# Altium PCB 2-quilter-output.PcbDoc (part 26 of 26) (continued)
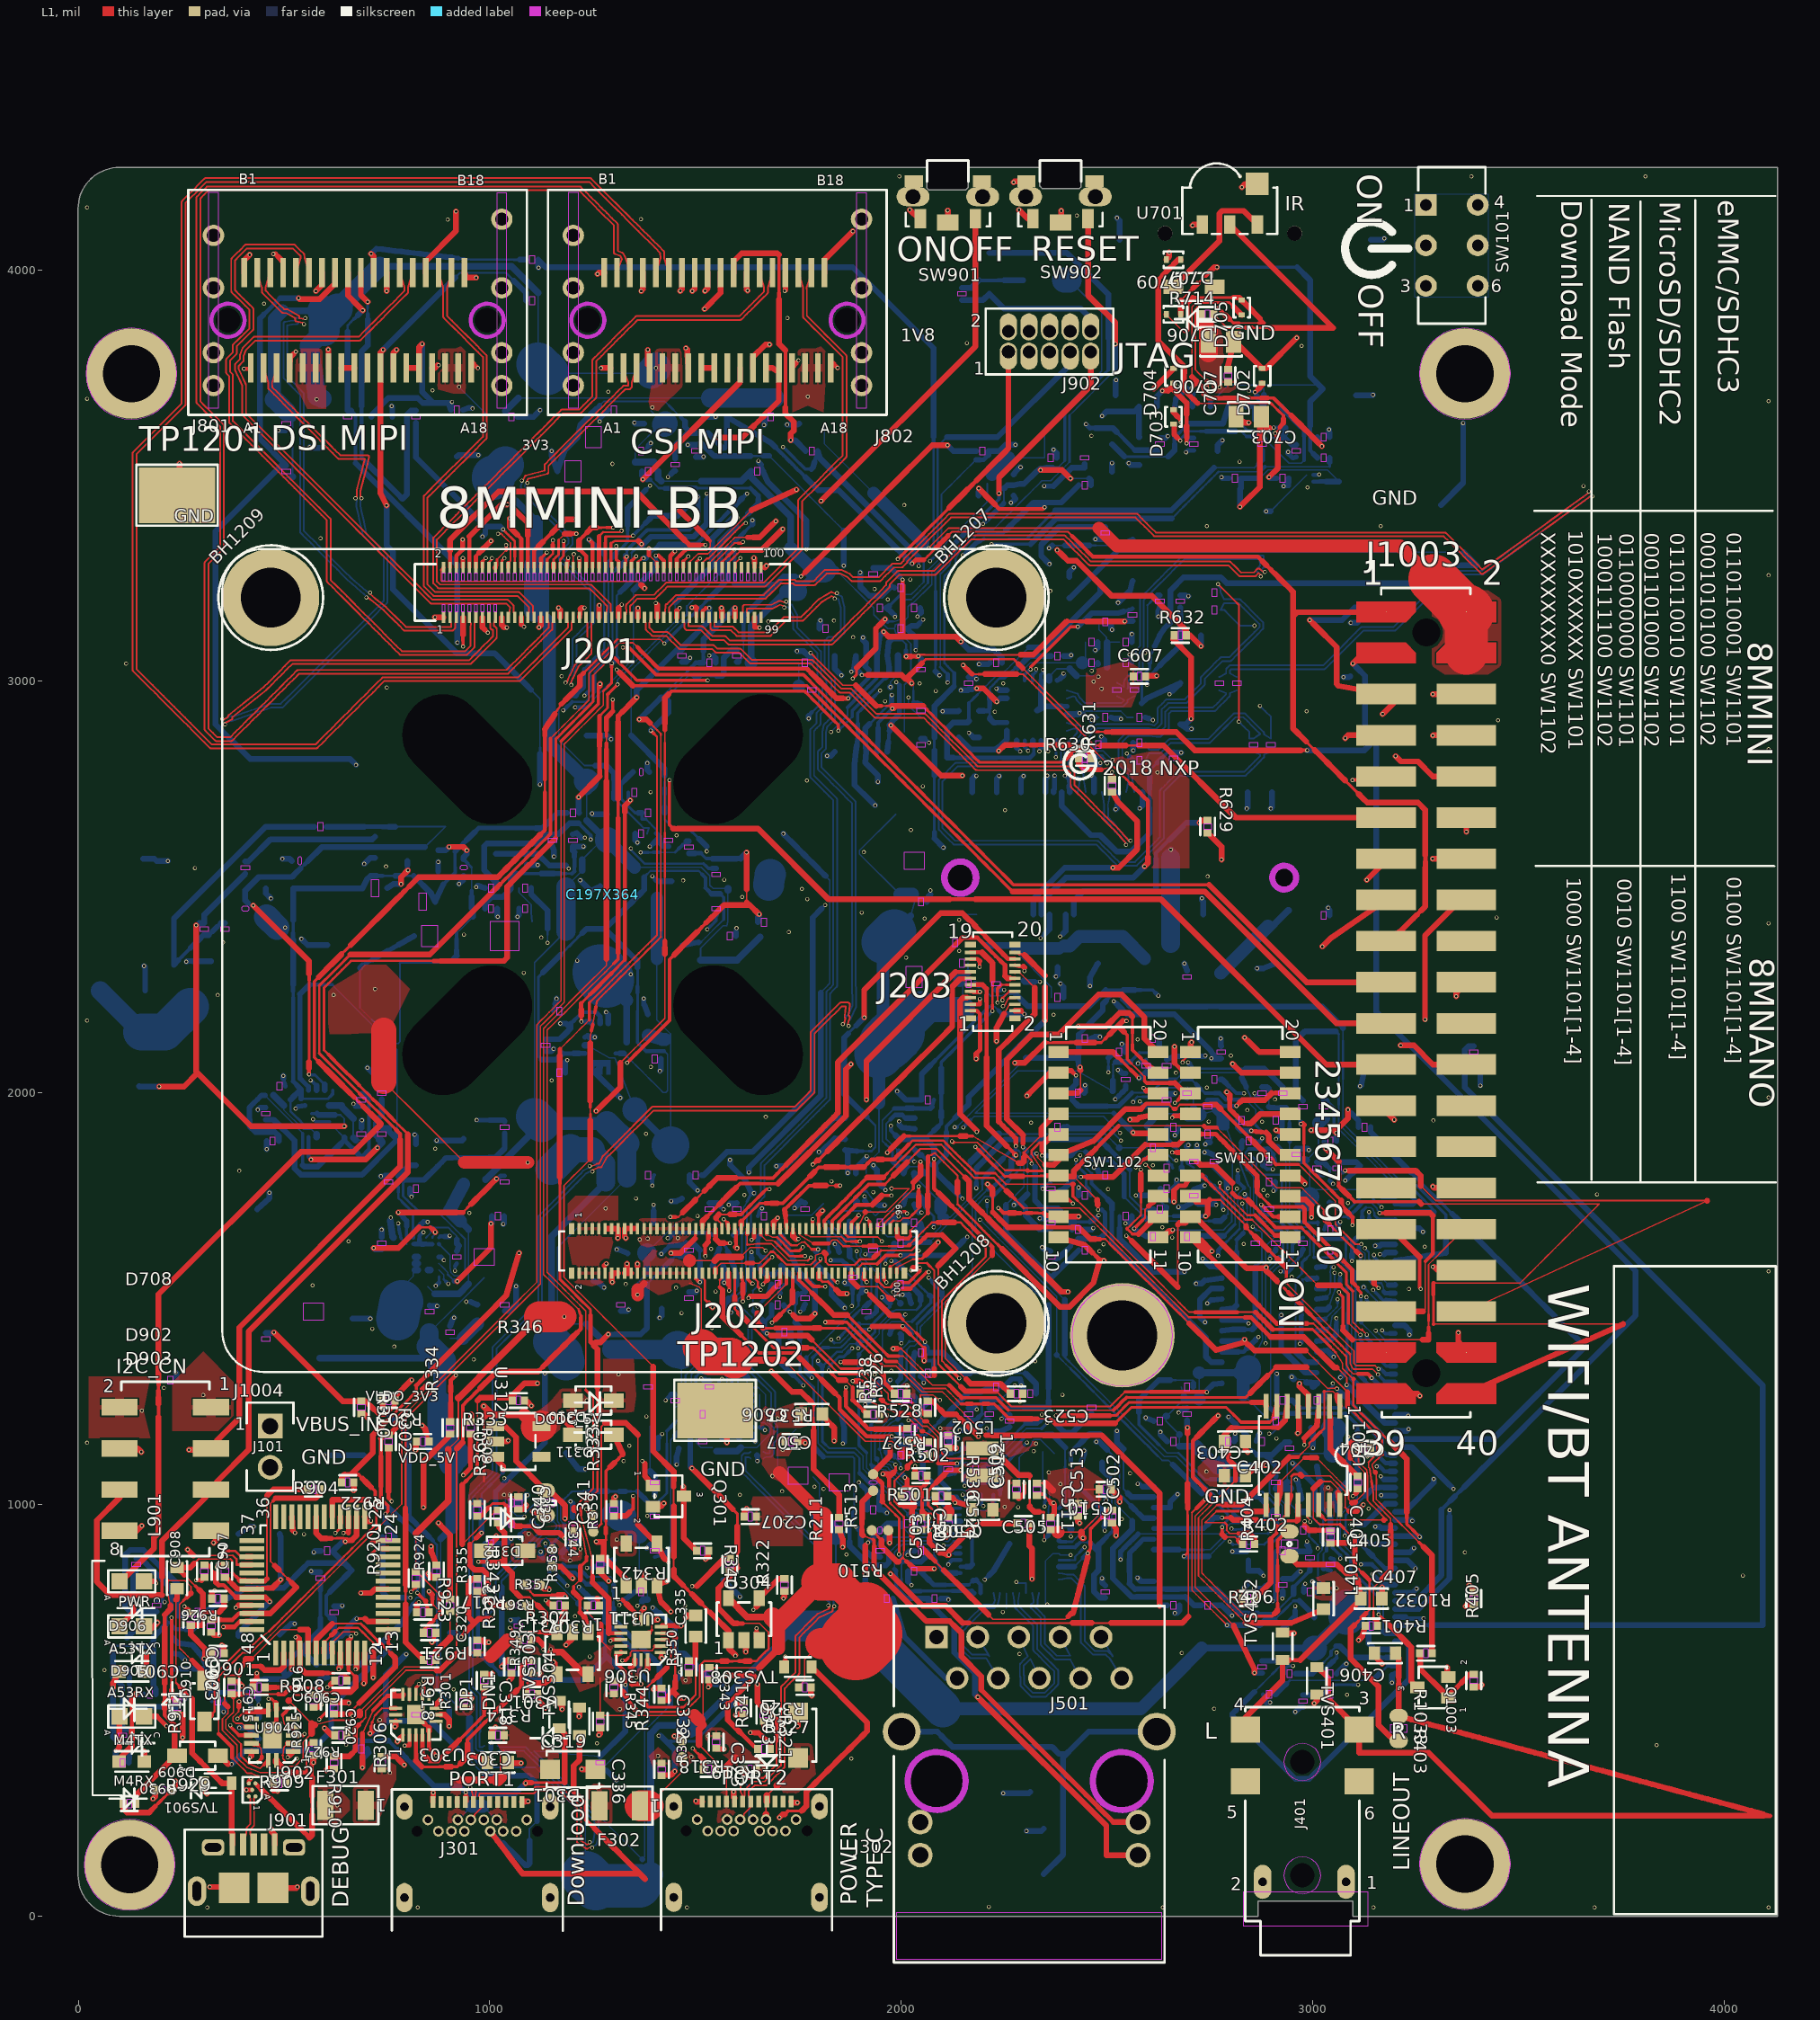
[diagram p0: L1 view]
## Silkscreen, mask and mechanical layers (free items; w line width, h text height) (continued)
  lines w8: 1999.73,3771.19 cw(c1999.73,3739.51) 2023.73,3760.19 ccw(c2047.04,3780.3) 2030.73,3754.19 2066.73,3742.19 cw(c2066.73,3717.17) 2091.73,3718.19 ccw(c2097.45,3720.36) 2100.73,3715.19 2101.73,3717.19 ccw(c2086.43,3724.82) 2100.73,3734.19 ccw(c1926.11,3619.4) 2093.73,3744.19 ccw(c2069.14,3725.87) 2073.73,3756.19 ; 2012.73,3803.19 cw(c2012.73,3778.19) 2019.73,3802.19 ccw(c2026.93,3826.88) 2025.73,3801.19 ccw(c2033.23,3961.8) 2040.73,3801.19 ccw(c2035.44,3914.38) 2065.73,3805.19 cw(c2077.41,3763.09) 2104.73,3797.19 cw(c2094.86,3784.85) 2109.73,3790.19 ccw(c2123.31,3795.01) 2116.73,3782.19 2121.73,3778.19 2127.73,3773.19 cw(c2116.83,3760.11) 2133.73,3762.19 2133.73,3761.19 2132.73,3757.19 2131.73,3751.19 2130.73,3743.19 2130.73,3730.19 cw(c2106.59,3730.19) 2123.73,3713.19 cw(c2120.23,3716.86) 2115.73,3719.19 2118.73,3725.19 2116.73,3739.19 cw(c2131.84,3741.36) 2117.73,3747.19 ccw(c1981.73,3802.75) 2120.73,3755.19 2114.73,3756.19 cw(c2116.8,3768.61) 2109.73,3758.19 cw(c2265.19,3985.91) 2094.73,3769.19
  lines w10: 1945.73,3678.19 2135.73,3800.19 ; 2196.73,3678.19 1948.73,3678.19 2071.73,3927.19 2197.73,3678.19 ; 183.86,3348.9 183.86,3598.9 643.86,3598.9 643.86,3348.9 183.86,3348.9 ; 691.24,3143.94 1766.24,3143.94 1766.24,3393.94 691.24,3393.94 691.24,3143.94 ; 704.63,623.79 1704.63,623.79 1704.63,873.79 704.63,873.79 704.63,623.79 ; 3226.63,2265.79 3476.63,2265.79 3476.63,3305.79 3226.63,3305.79 3226.63,2265.79
  text "GND" at 905.13,3568.29 h31
  text "nCD" at 2539.13,3520.29 h31
  text "3V3" at 902.13,3508.29 h31
  text "I2C4" at 2539.63,3477.29 h25
  text "700-31407" at 643.86,3455.9 h50
  text "CLKI1" at 1470.13,3452.79 h25 r270
  text "CLKI2" at 1543.13,3452.79 h25 r270
  text "CLK01" at 1318.13,3451.79 h25 r270
  text "CLK02" at 1394.13,3450.79 h25 r270
  text "SDA" at 2439.63,3442.29 h25
  text "SCL" at 2572.63,3422.29 h25
  text "GND" at 3422.13,3391.29 h31 r270
  text "ID2" at 1651.92,3012.31 h25
  text "VBUS1" at 1444.63,3011.29 h25
  text "ID1" at 1571.91,2999.13 h25
  text "TXD4" at 827.13,2991.79 h25 r270
  text "TXD2" at 886.96,2991.79 h25 r270
  text "RXD2" at 764.13,2990.79 h25 r270
  text "RXD4" at 778.14,2926.2 h25
  text "GND" at 651.13,2907.79 h25 r270
  text "Q" at 1256.51,2816.14 h35
  text "Q" at 74.54,2762.99 h35
  text "SCH-31407 REV C2" at 3320.33,2285.45 h63 r270
  text "M.2 CARD" at 2535.18,2273.87 h59.8
  text "E-KEY" at 2252.14,2186.07 h31
  text "GND" at 2463.01,2123.48 h25
  text "P" at 1513.74,1967.92 h35
  text "MCLK" at 1678.73,1885.38 h25 r270
  text "RXFS" at 1618.73,1869.38 h25 r270
  text "GND" at 1270.04,1840.89 h25
  text "TXD" at 1555.73,1835.38 h25 r270
  text "1" at 3462.13,1756.79 h25 r90
  text "SAI3" at 1632.04,1749.89 h25
  text "TXFS" at 1774.04,1735.89 h25
  text "RXD" at 1742.04,1655.89 h25
  text "TXC" at 1602.76,1626.25 h25
  text "RXC" at 1621.04,1618.89 h25
  text "AUDIO CONNECTOR" at 3479.53,1593.14 h59.8 r90
  text "GND" at 2464.81,1533.69 h25
  text "P" at 3079.52,1299.29 h35
  text "VBUS_IN" at 421.87,1178.81 h25
  text "GND" at 415.72,1074.9 h25
  text "S/N" at 1904.13,681.79 h63
  text "60" at 3462.13,628.79 h25 r90
  text "SERIAL" at 1053.63,137.29 h25
  text "PRIMARY" at 1703.63,137.29 h25
  text "DOWNLOAD" at 1071.63,97.29 h25
  text "POWER IN" at 1716.63,95.29 h25
Top Solder:
  lines w20: -0.37,98.79 ccw(c99.63,98.79) 99.63,-1.21 2867.21,-1.21 2867.21,35.94 3097.78,35.94 3097.78,-1.21 3399.63,-1.21 ccw(c3399.63,98.79) 3499.63,98.79 3499.63,4148.79 ccw(c3399.63,4148.79) 3399.63,4248.79 99.63,4248.79 ccw(c99.63,4148.79) -0.37,4148.79 -0.37,98.79
Board Layer Stack Bottom Solder:
  lines w20: -0.37,98.79 ccw(c99.63,98.79) 99.63,-1.21 2867.21,-1.21 2867.21,35.94 3097.78,35.94 3097.78,-1.21 3399.63,-1.21 ccw(c3399.63,98.79) 3499.63,98.79 3499.63,4148.79 ccw(c3399.63,4148.79) 3399.63,4248.79 99.63,4248.79 ccw(c99.63,4148.79) -0.37,4148.79 -0.37,98.79
Board:
  lines w1: 3399.63,-1.21 ccw(c3399.63,98.79) 3499.63,98.79 3499.63,4148.79 ccw(c3399.63,4148.79) 3399.63,4248.79 ; 3539.63,0.81 3539.63,4248.79 ; 3539.63,4248.79 4092,4248.79 4130.18,4248.79 4130.18,-1.21 3097.78,-1.21 3097.78,35.94 2910.79,35.94 2910.29,35.94 2910.09,36.13 2909.9,35.94 2901.41,35.94 2867.21,35.94 2867.21,-1.21 99.63,-1.21 cw(c99.63,98.79) -0.37,98.79 -0.37,4148.79 cw(c99.63,4148.79) 99.63,4248.79 1991.63,4248.79 2062.63,4248.79 2062.63,4198.79 2065.63,4195.79 2067.63,4193.79 2156.63,4193.79 2163.63,4200.79 2163.63,4248.79 2253.63,4248.79 2256.63,4248.79 2314.63,4248.79 2336.63,4248.79 2336.63,4237.79 2336.63,4203.79 2342.63,4197.79 2433.63,4197.79 2437.63,4201.79 2437.63,4248.79 3539.63,4248.79
Fab Notes:
  drawing of 215 lines, arcs and shapes, not listed
  text "1. THIS DRAWING SPECIFIES THE REQUIREMENTS FOR A" at -15259.37,7995.79 h94
  text "PRINTED WIRING BOARD IN ACCORDANCE" at -10959.37,7995.79 h94
  text "WITH SPECIFICATION IPC-A-600 CLASS 2 (LATEST REVISION)." at -15249.37,7795.79 h94
  text "2. THE PWB MUST BE LEAD FREE ASSEMBLY PROCESS COMPATIBLE AND MUST BE ABLE TO HANDLE" at -15259.37,7395.79 h94
  text "A MINIMUM OF 5 CYCLES AT 260 DEGREES CELSIUS FOR 10 SECONDS." at -15159.37,7195.79 h94
  text "3. BASE MATERIAL - LAMINATE AND PREPREG SHALL MEET IPC-4101B-26, 83 or 98" at -15259.37,6795.79 h94
  text "Tg - MUST BE GREATER THAN OR EQUAL TO 150 DEGREES CELSIUS." at -13414.37,6595.79 h94
  text "Td - MUST BE GREATER THAN OR EQUAL TO 330 DEGREES CELSIUS." at -13414.37,6395.79 h94
  text "4. COPPER FOIL WEIGHT - SEE STACKUP DETAIL 'A'" at -15259.37,5995.79 h94
  text "5. CHARACTERISTIC IMPEDANCE - SEE DETAIL 'B'" at -15259.37,5595.79 h94
  text "6. MINIMUM CONDUCTIVE WIDTH/SPACING TO BE .004\"/.005\"" at -15259.37,5195.79 h94
  text "8" at 5047.78,5174.39 h125
  text "7. PLATING FINISH - BOTH SIDES ENIG (ELECTROLESS NICKEL IMMERSION GOLD):" at -15259.37,4795.79 h94
  text ".05080-.232 MICRON (2-8 MICROINCH) OF GOLD OVER" at -13439.37,4595.79 h94
  text "2.540-6.350 MICRON (100-250 MICROINCH) OF NICKEL." at -13694.37,4395.79 h94
  text "8. ALL THROUGH HOLE VIAS MAY BE PLATED SHUT." at -15259.37,3995.79 h94
  text "9. SOLDERMASK - GREEN COLOR (TAIYO OR EQUIVALENT), BOTH SIDES." at -15259.37,3595.79 h94
  text "MODIFICATION OF SOLDERMASK IS NOT ALLOWED WITHOUT WRITTEN PERMISSION FROM NXP." at -15254.37,3395.79 h94
  text "10. SILKSCREEN - WHITE EPOXY INK, BOTH SIDES.  NO SILK ON PADS." at -15259.37,2995.79 h94
  text "11. ELECTRICAL TEST - 100% IPCD356." at -15259.37,2595.79 h94
  text "12. PRINTED WIRING BOARD IS TO BE INDIVIDUALLY BAGGED." at -15259.37,2195.79 h94
  text "13. DRC'S MUST BE RUN ON THE GERBER BEFORE BUILDING BOARDS," at -15259.37,1795.79 h94
  text "UNLESS PRIOR APPROVAL IS GIVEN IN WRITING BY NXP." at -15259.37,1595.79 h94
  text "14. TEARDROPS MAYBE ADDED AT THE FAB HOUSE TO ALL SIGNAL LAYERS." at -15259.37,1195.79 h94
  text "15. 2 SOLDER SAMPLES TO BE PROVIDED." at -15259.37,795.79 h94
  text "16. BASIC GRID INCREMENT AT 1:1 IS .0001." at -15260.37,394.79 h94
  text "CANNOT ADD ANY PLANE ON EVERY LAYER ON THIS BOARD" at 3930.63,389.79 h63 r90
  text "23" at 3742.7,101.4 h94
  text "17. SUPPLIER MARKINGS - ON SOLDER SIDE ONLY, WHERE SHOWN." at -15260.37,-5.21 h94
  text "0" at -1316.37,-35.21 h63
  text "- MUST BE UL RECOGNIZED AND MUST HAVE AN ID THAT CONFORMS TO UL94V-0" at -13239.37,-204.21 h94
  text "16" at -2432.3,-517.6 h94
  text "18. THE PWB WILL BE MARKED AS LEAD FREE BY USE OF AN INK STAMP Pb" at -15259.37,-604.21 h94
  text "PRIMARY DATUM" at -2636.61,-719.86 h63
  text "17" at 2429.19,-769.36 h94
  text "GRID ORIGIN" at -2646.61,-804.86 h63
  text "19. THE PWB WILL BE MARKED AS LEAD FREE PROCESS COMPATIBLE BY USE OF AN INK STAMP 260 C" at -15259.37,-1004.21 h94
  text "0" at -26.37,-1019.21 h63
  text "20. ALL PLATED AND NON-PLATED THROUGH HOLES ARE TO BE DRILLED AT PRIMARY DRILL STEP." at -14562.77,-1404.21 h94
  text "ALL HOLE LOCATION TOLERANCES ARE TO BE +/-.002 IN REFERENCE TO THE PRIMARY DATUM." at -14219.97,-1604.21 h94
  text "21. FINISHED PCB MUST BE PANELIZED FOR ASSEMBLY ACCORDING TO CONTRACT MANUFACTURERS REQUIREMENTS." at -15259.37,-2004.21 h94
  text "THE ADDITION OF RAILS AND .125' NON-PLATED TOOLING HOLES ARE AT THE DISCRETION OF" at -14889.37,-2204.21 h94
  text "CONTRACT MANUFACTURER.PANELIZATION MUST BE APPROVED BY CONTRACT MANUFACTURER." at -14889.37,-2404.21 h94
  text "VIEW FROM PRIMARY SIDE" at 458.39,-2734.86 h125
  text "22. THIS BOARD USES VIA-IN-PAD:" at -15629.37,-2804.21 h94
  text "A. VIA-IN-PAD TO BE FILLED WITH NON-CONDUCTIVE VIA FILL." at -14979.37,-3004.21 h94
  text "LACKWERKE-PETERS PP2795 OR EQUIVALENT AND MADE PLANAR TO THE PADS." at -14609.37,-3204.21 h94
  text "B. OVERPLATE THE FILLED VIA AND APPLY FINISH METAL TREATMENT." at -14979.37,-3404.21 h94
  text "23.  ANTENNA BOARD FOLLOW GERBER" at -15262.37,-3916.21 h94
  text "DETAIL B" at -1467.78,-5245.92 h125
  text "THE TOTAL THICKNESS:" at -13735.34,-5310.05 h225
  text "1.6mm+/-10%" at -8970.85,-5334.7 h225
  text "IMPEDANCE REQUIREMENTS" at -2151.78,-5457.92 h125
  text "IMPEDANCE TOLERANCE IS 10%" at -2351.78,-5657.92 h125
  text "DIELECTRIC" at -8376.87,-5989.49 h75
  text "LAYERS STACKUP" at -13893.87,-6065.71 h94
  text "LAYER" at -11952.75,-6065.71 h94
  text "MATERIAL" at -11300.57,-6065.71 h94
  text "THICKNESS" at -10518.88,-6065.71 h94
  text "LAYER TYPE" at -9593.8,-6065.71 h94
  text "LOSS TANGENT" at -7176.87,-6089.49 h75
  text "CONSTANT" at -8376.87,-6189.49 h75
  text "COPPER" at -11294.95,-6538.15 h94
  text "ROUTING" at -9488.8,-6538.15 h94
  text "1 OZ" at -10401.04,-6542.1 h94
  text "TOP" at -13516.14,-6577.52 h94
  text "TOP" at -11941.33,-6577.52 h94
  text "3.9" at -8398.04,-6825.97 h94
  text "TU-768" at -11189.95,-6853.11 h94
  text "2.77MIL" at -10401.04,-6858.97 h94
  text "0.02" at -7052.04,-6866.97 h94
  text "PREPREG" at -12132.15,-6882.08 h94
  text "PREPREG" at -13696.45,-6892.48 h94
  text "COPPER" at -11294.95,-7165.71 h94
  text "PLANE" at -9418.8,-7168.07 h94
  text "1 OZ" at -10401.04,-7185.07 h94
  text "L2 INNER" at -12178.15,-7197.05 h94
  text "L2 INNER" at -13741.52,-7207.44 h94
  text "4.25" at -8398.04,-7464.97 h94
  text "TU-768" at -11189.95,-7480.67 h94
  text "4.33MIL" at -10401.04,-7497.97 h94
  text "0.02" at -7052.04,-7505.97 h94
  text "PREPREG" at -12132.15,-7512.01 h94
  text "PREPREG" at -13696.45,-7522.4 h94
  text "1 OZ" at -10401.04,-7790.07 h94
  text "COPPER" at -11294.95,-7795.63 h94
  text "ROUTING" at -9463.12,-7811.72 h94
  text "L3 INNER" at -12178.15,-7826.97 h94
  text "L3 INNER" at -13741.52,-7837.36 h94
  text "4.25" at -8398.04,-8099.37 h94
  text "TU-768" at -11189.95,-8110.59 h94
  text "12.89MIL" at -10401.04,-8132.37 h94
  text "0.02" at -7052.04,-8140.37 h94
  text "PREPREG" at -12132.15,-8141.93 h94
  text "PREPREG" at -13696.45,-8152.33 h94
  text "PLANE" at -9414.12,-8424.42 h94
  text "COPPER" at -11294.95,-8425.55 h94
  text "1 OZ" at -10401.04,-8434.07 h94
  text "L4 INNER" at -12178.15,-8456.89 h94
  text "L4 INNER" at -13741.52,-8467.29 h94
  text "4.25" at -8398.04,-8731.27 h94
  text "TU-768" at -11189.95,-8747.72 h94
  text "11.81MIL" at -10401.04,-8764.27 h94
  text "PREPREG" at -12132.15,-8771.85 h94
  text "0.02" at -7052.04,-8772.27 h94
  text "PREPREG" at -13696.45,-8782.25 h94
  text "PLANE" at -9418.8,-9056.71 h94
  text "1 OZ" at -10401.04,-9060.07 h94
  text "COPPER" at -11294.95,-9075.43 h94
  text "L5 INNER" at -12178.15,-9086.81 h94
  text "L5 INNER" at -13741.52,-9097.21 h94
  text "4.25" at -8398.04,-9335.37 h94
  text "TU-768" at -11189.95,-9365.71 h94
  text "12.89MIL" at -10401.04,-9368.37 h94
  text "0.02" at -7052.04,-9376.37 h94
  text "PREPREG" at -12132.15,-9401.77 h94
  text "PREPREG" at -13696.45,-9412.17 h94
  text "1 OZ" at -10401.04,-9651.07 h94
  text "COPPER" at -11294.95,-9702.83 h94
  text "ROUTING" at -9488.8,-9702.83 h94
  text "L6 INNER" at -12178.15,-9716.73 h94
  text "L6 INNER" at -13741.52,-9727.13 h94
  text "4.25" at -8398.04,-9978.97 h94
  text "TU-768" at -11189.95,-10011.82 h94
  text "4.33MIL" at -10401.04,-10011.97 h94
  text "0.02" at -7052.04,-10019.97 h94
  text "PREPREG" at -12132.15,-10031.69 h94
  text "PREPREG" at -13696.45,-10042.09 h94
  text "COPPER" at -11294.95,-10311.41 h94
  text "PLANE" at -9418.8,-10320.82 h94
  text "1 OZ" at -10401.04,-10340.07 h94
  text "L7 INNER" at -12178.15,-10346.65 h94
  text "L7 INNER" at -13741.52,-10357.05 h94
  text "3.9" at -8398.04,-10594.67 h94
  text "2.77MIL" at -10401.04,-10627.67 h94
  text "0.02" at -7052.04,-10635.67 h94
  text "TU-768" at -11189.95,-10648.53 h94
  text "PREPREG" at -12132.15,-10661.61 h94
  text "PREPREG" at -13696.45,-10672.01 h94
  text "1 OZ" at -10401.04,-10938.07 h94
  text "COPPER" at -11294.95,-10938.71 h94
  text "ROUTING" at -9488.8,-10976.24 h94
  text "L8 BOTTOM" at -13851.02,-10997.99 h94
  text "L8 BOTTOM" at -12197.48,-10997.99 h94
Sheet:
  drawing of 2600 lines, arcs and shapes, not listed
  text "Single Ended" at -3923.78,-5978.92 h94
  text "Single Ended" at -2373.78,-5978.92 h94
  text "Differential" at -77.78,-5986.92 h94
  text "Differential" at 2422.22,-5986.92 h94
  text "Differential" at 4922.22,-5986.92 h94
  text "Impedance" at 741.22,-6179.92 h63
  text "Impedance" at 3241.22,-6179.92 h63
  text "Impedance" at 5741.22,-6179.92 h63
  text "Impedance" at -3238.78,-6184.92 h63
  text "Impedance" at -1688.78,-6184.92 h63
  text "Layers" at -4877.78,-6186.92 h94
  text "Trace Spacing" at -177.78,-6186.92 h63
  text "Trace Spacing" at 2322.22,-6186.92 h63
  text "Trace Spacing" at 4822.22,-6186.92 h63
  text "Trace Width" at -4073.78,-6194.92 h63
  text "Trace Width" at -2523.78,-6194.92 h63
  text "Trace Width" at -963.78,-6194.92 h63
  text "Trace Width" at 1536.22,-6194.92 h63
  text "Trace Width" at 4036.22,-6194.92 h63
  text "(Mils)" at -4027.78,-6286.92 h80
  text "(Ohms)" at -3227.78,-6286.92 h63
  text "(Mils)" at -2477.78,-6286.92 h80
  text "(Ohms)" at -1677.78,-6286.92 h63
  text "(Mils)" at -927.78,-6286.92 h63
  text "\"Airgap\"" at -177.78,-6286.92 h63
  text "(Ohms)" at 772.22,-6286.92 h63
  text "(Mils)" at 1572.22,-6286.92 h63
  text "\"Airgap\"" at 2322.22,-6286.92 h63
  text "(Ohms)" at 3272.22,-6286.92 h63
  text "(Mils)" at 4072.22,-6286.92 h63
  text "\"Airgap\"" at 4822.22,-6286.92 h63
  text "(Ohms)" at 5772.22,-6286.92 h63
  text "(Mils)" at 10.22,-6401.92 h63
  text "(Mils)" at 2510.22,-6401.92 h63
  text "(Mils)" at 5010.22,-6401.92 h63
  text "4" at -3903.78,-6579.92 h80
  text "L1_TOP" at -4878.78,-6589.92 h80
  text "50" at -3003.78,-6594.92 h80
  text "3.9" at -748.78,-6599.92 h80
  text "3.50" at 1751.22,-6599.92 h80
  text "3.50" at 4251.22,-6599.92 h80
  text "85" at 922.22,-6611.92 h80
  text "90" at 3422.22,-6611.92 h80
  text "100" at 5922.22,-6611.92 h80
  text "5" at -48.78,-6614.92 h80
  text "5" at 2451.22,-6614.92 h80
  text "7" at 4951.22,-6614.92 h80
  text "3.50" at 1751.22,-6949.92 h80
  text "L3 & L6" at -4878.78,-6964.92 h80
  text "5" at 2451.22,-6964.92 h80
  text "3.50" at 4251.22,-6974.92 h80
  text "5" at -3878.78,-6979.92 h80
  text "100" at 5922.22,-6986.92 h80
  text "7" at 4951.22,-6989.92 h80
  text "50" at -3003.78,-6994.92 h80
  text "3.9" at -748.78,-6999.92 h80
  text "85" at 922.22,-7011.92 h80
  text "90" at 3422.22,-7011.92 h80
  text "4" at -48.78,-7014.92 h80
  text "L8_BOTTOM" at -4874.78,-7376.92 h80
  text "4" at -3903.78,-7379.92 h80
  text "50" at -3003.78,-7394.92 h80
  text "3.9" at -748.78,-7399.92 h80
  text "3.50" at 1751.22,-7399.92 h80
  text "3.50" at 4251.22,-7399.92 h80
  text "85" at 922.22,-7411.92 h80
  text "90" at 3422.22,-7411.92 h80
  text "100" at 5922.22,-7411.92 h80
  text "5" at -48.78,-7414.92 h80
  text "5" at 2451.22,-7414.92 h80
  text "7" at 4951.22,-7414.92 h80
  text "170-31407" at 9510.63,-9079.21 h175
  text "THIS DOCUMENT CONTAINS INFORMATION" at 8920.63,-9319.21 h63
  text "___ PUBI (PUBLIC INFORMATION)" at 6075.63,-9354.21 h63
  text "PROPRIETARY TO NXP AND SHALL" at 8920.63,-9444.21 h63
  text "NXP SEMICONDUCTORS" at 12370.63,-9509.21 h225
  text "NOT BE USED FOR ENGINEERING DESIGN" at 8920.63,-9569.21 h63
  text "___ NIUO (NXP INTERNAL USE ONLY)" at 6075.63,-9654.21 h63
  text "X" at 6115.63,-9654.21 h100
  text "PROCUREMENT OR MANUFACTURE IN WHOLE" at 8920.63,-9694.21 h63
  text "OR IN PART WITHOUT THE CONSENT OF" at 8920.63,-9819.21 h63
  text "NXP." at 8920.63,-9944.21 h63
  text "___ NCP (NXP CONFIDENTIAL PROPRIETARY)" at 6075.63,-9954.21 h63
  text "6501 WILLIAM CANNON DRIVE WEST  AUSTIN, TEXAS 78735 USA" at 11510.63,-9999.21 h94
  text "ALL PARTS, MATERIALS AND FINISHED" at 3646.15,-10271.75 h63
  text "ASSEMBLY SHALL MEET THE RoHS" at 3646.15,-10355.75 h63
  text "[MM]" at 8134.89,-10379.86 h80
  text "PRINTED WIRING BOARD" at 12440.63,-10409.21 h175
  text "COMMISSION DELEGATED DIRECTIVE (EU)" at 3646.15,-10439.75 h63
  text "2015/863 OF 31 MARCH  2015 AMENDING" at 3646.15,-10523.75 h63
  text "FEIXIANG" at 9305.63,-10584.21 h100
  text "17-07-20" at 10570.63,-10584.21 h100
  text "ANNEX II TO DIRECTIVE 2011/65/EU. A" at 3646.15,-10607.75 h63
  text "CERTIFICATE OF COMPLIANCE IS" at 3646.15,-10691.75 h63
  text "REQUIRED UPON REQUEST." at 3646.15,-10775.75 h63
  text "8MMINI-BB" at 12406.61,-10817.37 h175
  text "JAVEN JIANG" at 9300.63,-11004.21 h100
  text "17-07-20" at 10565.63,-11004.21 h100
  text "ALL PARTS, MATERIALS AND FINISHED" at 3622.15,-11230.75 h63
  text "ASSEMBLY SHALL NOT CONTAIN ANY OF" at 3622.15,-11314.75 h63
  text "THE SUBSTANCES OF VERY HIGH CONCERN" at 3622.15,-11398.75 h63
  text "JAVEN JIANG" at 9295.63,-11399.21 h100
  text "17-07-20" at 10560.63,-11399.21 h100
  text "C2" at 16260.63,-11399.21 h175
  text "LAY-31407" at 11850.63,-11419.21 h125
  text "FAB-31407" at 13955.63,-11419.21 h175
  text "(SVHC) ABOVE THE THRESHOLD VALUE PER" at 3622.15,-11482.75 h63
  text "THE CURRENT ECHA LIST OF SVHC'S AND" at 3622.15,-11566.75 h63
  text "WITH ANNEX XIV AND ANNEX XVII OF REACH" at 3622.15,-11645.75 h63
  text "DIRECTIVE 76/769/EEC. A CERTIFICATE OF" at 3622.15,-11729.75 h63
  text "COMPLIANCE IS REQUIRED UPON REQUEST." at 3622.15,-11813.75 h63
  text "1" at 15472.35,-11870.41 h175
  text "1" at 16200.3,-11873.36 h175
Drill Drawing:
  drawing of 158 lines, arcs and shapes, not listed
  text "DRILL CHART: TOP to BOTTOM" at 8230.63,5898.29 h125
  text "ALL UNITS ARE IN MILS" at 8480.63,5648.29 h125
  text "FIGURE" at 5557.13,5398.29 h125
  text "FINISHED_SIZE" at 6664.13,5398.29 h125
  text "ROTATION" at 8557.13,5398.29 h125
  text "TOLERANCE_TRAVEL" at 9800.13,5398.29 h125
  text "PLATED" at 11943.13,5398.29 h125
  text "QTY" at 13116.13,5398.29 h125
  text "8.0" at 7164.13,5148.29 h125
  text "-" at 8907.13,5148.29 h125
  text "-" at 10550.13,5148.29 h125
  text "PLATED" at 11943.13,5148.29 h125
  text "1669" at 13066.13,5148.29 h125
  text "16.0" at 7114.13,4898.29 h125
  text "-" at 8907.13,4898.29 h125
  text "-" at 10550.13,4898.29 h125
  text "PLATED" at 11943.13,4898.29 h125
  text "24" at 13166.13,4898.29 h125
  text "28.0" at 7114.13,4648.29 h125
  text "-" at 8907.13,4648.29 h125
  text "-" at 10550.13,4648.29 h125
  text "PLATED" at 11943.13,4648.29 h125
  text "6" at 13216.13,4648.29 h125
  text "31.0" at 7114.13,4398.29 h125
  text "-" at 8907.13,4398.29 h125
  text "-" at 10550.13,4398.29 h125
  text "PLATED" at 11943.13,4398.29 h125
  text "10" at 13166.13,4398.29 h125
  text "32.0" at 7114.13,4148.29 h125
  text "-" at 8907.13,4148.29 h125
  text "-" at 10550.13,4148.29 h125
  text "PLATED" at 11943.13,4148.29 h125
  text "16" at 13166.13,4148.29 h125
  text "35.0" at 7114.13,3898.29 h125
  text "-" at 8907.13,3898.29 h125
  text "-" at 10550.13,3898.29 h125
  text "PLATED" at 11943.13,3898.29 h125
  text "10" at 13166.13,3898.29 h125
  text "36.0" at 7114.13,3648.29 h125
  text "-" at 8907.13,3648.29 h125
  text "-" at 10550.13,3648.29 h125
  text "PLATED" at 11943.13,3648.29 h125
  text "4" at 13216.13,3648.29 h125
  text "40.0" at 7114.13,3398.29 h125
  text "-" at 8907.13,3398.29 h125
  text "-" at 10550.13,3398.29 h125
  text "PLATED" at 11943.13,3398.29 h125
  text "6" at 13216.13,3398.29 h125
  text "67.0" at 7114.13,3148.29 h125
  text "-" at 8907.13,3148.29 h125
  text "-" at 10550.13,3148.29 h125
  text "PLATED" at 11943.13,3148.29 h125
  text "2" at 13216.13,3148.29 h125
  text "139.0" at 7064.13,2898.29 h125
  text "-" at 8907.13,2898.29 h125
  text "-" at 10550.13,2898.29 h125
  text "PLATED" at 11943.13,2898.29 h125
  text "4" at 13216.13,2898.29 h125
  text "146.0" at 7064.13,2648.29 h125
  text "-" at 8907.13,2648.29 h125
  text "-" at 10550.13,2648.29 h125
  text "PLATED" at 11943.13,2648.29 h125
  text "3" at 13216.13,2648.29 h125
  text "170.0" at 7064.13,2398.29 h125
  text "-" at 8907.13,2398.29 h125
  text "-" at 10550.13,2398.29 h125
  text "PLATED" at 11943.13,2398.29 h125
  text "1" at 13216.13,2398.29 h125
  text "26.0" at 7114.13,2148.29 h125
  text "-" at 8907.13,2148.29 h125
  text "-" at 10550.13,2148.29 h125
  text "NON-PLATED" at 11743.13,2148.29 h125
  text "4" at 13216.13,2148.29 h125
  text "26.0" at 7114.13,1898.29 h125
  text "-" at 8907.13,1898.29 h125
  text "-" at 10550.13,1898.29 h125
  text "NON-PLATED" at 11743.13,1898.29 h125
  text "2" at 13216.13,1898.29 h125
  text "39.0" at 7114.13,1648.29 h125
  text "-" at 8907.13,1648.29 h125
  text "-" at 10550.13,1648.29 h125
  text "NON-PLATED" at 11743.13,1648.29 h125
  text "2" at 13216.13,1648.29 h125
  text "43.0" at 7114.13,1398.29 h125
  text "-" at 8907.13,1398.29 h125
  text "-" at 10550.13,1398.29 h125
  text "NON-PLATED" at 11743.13,1398.29 h125
  text "1" at 13216.13,1398.29 h125
  text "59.0" at 7114.13,1148.29 h125
  text "-" at 8907.13,1148.29 h125
  text "-" at 10550.13,1148.29 h125
  text "NON-PLATED" at 11743.13,1148.29 h125
  text "2" at 13216.13,1148.29 h125
  text "61.0" at 7114.13,898.29 h125
  text "-" at 8907.13,898.29 h125
  text "-" at 10550.13,898.29 h125
  text "NON-PLATED" at 11743.13,898.29 h125
  text "4" at 13216.13,898.29 h125
  text "63.0" at 7114.13,648.29 h125
  text "-" at 8907.13,648.29 h125
  text "-" at 10550.13,648.29 h125
  text "NON-PLATED" at 11743.13,648.29 h125
  text "1" at 13216.13,648.29 h125
  text "68.0" at 7114.13,398.29 h125
  text "-" at 8907.13,398.29 h125
  text "-" at 10550.13,398.29 h125
  text "NON-PLATED" at 11743.13,398.29 h125
  text "2" at 13216.13,398.29 h125
  text "126.0" at 7064.13,148.29 h125
  text "-" at 8907.13,148.29 h125
  text "-" at 10550.13,148.29 h125
  text "NON-PLATED" at 11743.13,148.29 h125
  text "2" at 13216.13,148.29 h125
  text "44.0x20.0" at 6864.13,-101.71 h125
  text "90.000" at 8657.13,-101.71 h125
  text "+2.0/-2.0" at 10150.13,-101.71 h125
  text "PLATED" at 11943.13,-101.71 h125
  text "4" at 13216.13,-101.71 h125
  text "47.0x20.0" at 6864.13,-351.71 h125
  text "90.000" at 8657.13,-351.71 h125
  text "+3.0/-3.0" at 10150.13,-351.71 h125
  text "PLATED" at 11943.13,-351.71 h125
  text "2" at 13216.13,-351.71 h125
  text "51.0x20.0" at 6864.13,-601.71 h125
  text "90.000" at 8657.13,-601.71 h125
  text "+2.0/-2.0" at 10150.13,-601.71 h125
  text "PLATED" at 11943.13,-601.71 h125
  text "4" at 13216.13,-601.71 h125
  text "59.0x20.0" at 6864.13,-851.71 h125
  text "90.000" at 8657.13,-851.71 h125
  text "+3.0/-3.0" at 10150.13,-851.71 h125
  text "PLATED" at 11943.13,-851.71 h125
  text "2" at 13216.13,-851.71 h125
  text "364.0x197.0" at 6764.13,-1101.71 h125
  text "45.000" at 8657.13,-1101.71 h125
  text "+2.0/-2.0" at 10150.13,-1101.71 h125
  text "NON-PLATED" at 11743.13,-1101.71 h125
  text "2" at 13216.13,-1101.71 h125
  text "364.0x197.0" at 6764.13,-1351.71 h125
  text "135.000" at 8607.13,-1351.71 h125
  text "+2.0/-2.0" at 10150.13,-1351.71 h125
  text "NON-PLATED" at 11743.13,-1351.71 h125
  text "2" at 13216.13,-1351.71 h125
SOM Outline:
  circle w2: c2231.58,3203.52 r59.06
  circle w2: c2231.58,1439.74 r59.06
  circle w2: c467.8,3203.52 r59.06
  lines w2: 349.69,1421.63 ccw(c449.69,1421.63) 449.69,1321.63 2249.69,1321.63 ccw(c2249.69,1421.63) 2349.69,1421.63 2349.69,3221.63 ccw(c2249.69,3221.63) 2249.69,3321.63 449.69,3321.63 ccw(c449.69,3221.63) 349.69,3221.63 349.69,1421.63
Top Pin Number:
  lines w1: -205.37,-1556.71 3794.63,-1556.71 ; 44.63,-1596.71 44.63,-1396.71 ; 914.63,-1596.71 914.63,-1396.71 ; 1544.63,-1316.71 3794.63,-1316.71 ; 1794.63,-1596.71 1794.63,-1396.71 ; 2664.63,-1396.71 2664.63,-1096.71 ; 2914.63,-1596.71 2914.63,-1396.71
Bottom Courtyard:
  circle w1: c1883.92,2224.08 r16.73
  circle w1: c1107.34,1447.5 r16.73
  circle w1: c1107.34,2224.08 r16.73
  circle w1: c1140.63,1530.79 r39.37
  lines w1: 1192.88,1819.54 1168.55,1819.54 ccw(c1168.55,1788.04) 1137.05,1788.04 1137.05,1645.78 ccw(c1168.55,1645.78) 1168.55,1614.28 1231.99,1614.28 ; 1273.6,1744.9 cw(c1273.6,1713.4) 1305.1,1713.4 1305.1,1643.06 ccw(c1336.59,1643.06) 1324.65,1613.92 cw(c1312.71,1584.77) 1344.21,1584.77 1344.21,1571.14 cw(c1312.71,1571.14) 1312.71,1539.64 ; 1464.35,2053.05 1489.63,2053.05 ; 1464.35,2053.14 cw(c1464.35,2074.79) 1464.35,2096.44 ; 1464.35,2096.53 1489.63,2096.53 ; 1489.63,2053.14 ccw(c1489.63,2074.79) 1489.63,2096.44 ; 1520.2,1649.81 ccw(c1540.67,1649.81) 1561.15,1649.81 ; 1520.2,1653.02 cw(c1540.67,1653.02) 1561.15,1653.02 ; 1561.25,1649.81 1561.25,1653.02 ; 1600.82,1575.17 1600.82,1578.38 ; 1614.12,1418.71 ccw(c1645.62,1418.71) 1645.62,1387.21 1665.64,1387.21 ccw(c1665.64,1418.71) 1697.14,1418.71 1697.14,1462.87 ccw(c1665.64,1462.87) 1665.64,1494.37 1645.62,1494.37 ccw(c1645.62,1462.87) 1614.12,1462.87 1614.12,1418.71 ; 1851.88,1970.78 ccw(c1883.38,1970.78) 1883.38,1939.28 1907.71,1939.28 ccw(c1907.71,1970.78) 1939.21,1970.78 1939.21,1990.8 ccw(c1907.71,1990.8) 1907.71,2022.3 1883.38,2022.3 ccw(c1883.38,1990.8) 1851.88,1990.8 1851.88,1970.78
  lines w10: -205.37,-1396.71 3794.63,-1396.71 ; -205.37,-1096.71 -205.37,-896.71 3794.63,-896.71 ; 294.63,-1596.71 294.63,-1396.71 ; 1544.63,-896.71 1544.63,-596.71 ; 1549.63,-1596.71 1549.63,-1396.71 ; 2044.63,-1596.71 2044.63,-1396.71
  lines w20: -205.37,-1596.71 3794.63,-1596.71 3794.63,-596.71 -205.37,-596.71 -205.37,-1596.71
  text "NAME" at 1574.63,-676.71 h47.2
  text "NXP SEMICONDUCTORS" at -150.37,-706.71 h75
  text "6501 WILLIAM CANNON DRIVE WEST" at -175.37,-796.71 h47.2
  text "8MMINI-BB" at 2424.63,-816.71 h63
  text "AUSTIN. TEXAS 78735 USA" at -175.37,-866.71 h47.2
  text "THIS DOCUMENT CONTAINS INFORMATION" at -115.37,-966.71 h47.2
  text "X" at 1731.64,-992.38 h63
  text "___ COMPANY PUBLIC" at 1674.63,-996.71 h47.2
  text "PROPRIETARY TO NXP AND SHALL NOT" at -105.37,-1046.71 h47.2
  text "BE USED FOR ENGINEERING DESIGN" at -105.37,-1126.71 h47.2
  text "___ COMPANY INTERNAL" at 1674.63,-1156.71 h47.2
  text "PROCUREMENT OR MANUFACTURE IN WHOLE" at -105.37,-1206.71 h47.2
  text "OR IN PART WITHOUT THE CONSENT OF" at -105.37,-1286.71 h47.2
  text "___ COMPANY CONFIDENTIAL" at 1674.63,-1321.71 h47.2
  text "NXP." at -95.37,-1366.71 h47.2
  text "SHEET" at -175.37,-1476.71 h47.2
  text "FILM" at 324.63,-1476.71 h47.2
  text "NUMBER" at 2074.63,-1476.71 h47.2
  text "170-31407      REV C2" at 2404.63,-1546.71 h63
  text "19-02-19" at 1594.63,-1556.71 h47.2
Bottom Assembly:
  lines w1: -253.61,-1032.86 -253.61,-827.86 ; -253.61,-542.86 -253.61,1627.14 ; -253.61,1862.14 -253.61,2042.14
Top Designator:
  lines w1: -253.61,-1032.86 -253.61,-827.86 ; -253.61,-542.86 -253.61,1627.14 ; -253.61,1862.14 -253.61,2042.14 ; -25,0 25,0 ; 0,-25 0,25
Top Component Outline:
  circle w1: c2231.58,3203.52 r54.5
  circle w1: c467.8,3203.52 r54.5
  circle w1: c1262.15,1411.27 r20
  circle w1: c1362.15,1411.27 r20
  circle w1: c945.39,2800.83 r32
  circle w1: c945.39,2142.37 r32
  circle w1: c1145.39,2800.83 r17.5
  circle w1: c1503.85,2142.37 r17.5
  circle w1: c1603.85,2800.83 r32
  circle w1: c1603.85,2142.37 r32
  circle w1: c2231.58,1439.74 r54.5
Bottom Pin Number:
  circle w1: c2537.63,1410.64 r68.9

## Text inside footprints (layer, text, board x,y; h text height)
BH1201: Bottom Pin Number "1" at 128.99,3781.57 h25
BH1202: Bottom Pin Number "1" at 3370.62,3781.57 h25
BH1203: Bottom Pin Number "1" at 124.62,157.57 h25
BH1204: Bottom Pin Number "1" at 3370.62,159.57 h25
BH1206: Bottom Pin Number "1" at 2537.79,1410.64 h25
BH1207: Top Assembly "SWAGED" at 2200.24,3158.04 h20 r45; Top Pin Number "1" at 2231.42,3203.52 h25 r45
BH1208: Top Assembly "SWAGED" at 2200.24,1394.26 h20 r45; Top Pin Number "1" at 2231.42,1439.74 h25 r45
BH1209: Top Assembly "SWAGED" at 436.46,3158.04 h20 r45; Top Pin Number "1" at 467.64,3203.52 h25 r45
C101: Board Layer Stack Bottom Overlay "1" at 700.11,2108.79 h31 r90; Board Layer Stack Bottom Overlay "+" at 684.09,2079.46 h80 r270; Top Assembly "+" at 610.82,2039.12 h25 r90; Top Pin Number "1" at 605.27,2143.86 h25 r90; Top Pin Number "2" at 605.27,2375.57 h25 r90
C103: Board Layer Stack Bottom Overlay "+" at 1164.52,2481.91 h80 r90; Bottom Designator "+" at 1236.65,2620.2 h25 r90; Top Pin Number "1" at 1256.16,2499.85 h25 r270; Top Pin Number "2" at 1256.16,2284.49 h25 r270
C107: Top Pin Number "1" at 323.27,2314.07 h25 r270; Top Pin Number "2" at 323.27,2193.12 h25 r270
C108: Top Pin Number "1" at 156.62,2248.14 h25 r180; Top Pin Number "2" at 35.67,2248.14 h25 r180
C109: Top Pin Number "1" at 157.38,2563.1 h25 r270; Top Pin Number "2" at 157.38,2442.14 h25 r270
C142: Bottom Pin Number "1" at 1285.19,2605.75 h25 r90; Bottom Pin Number "2" at 1285.19,2656.45 h25 r90
C157: Top Pin Number "1" at 1235.32,2763.59 h25 r90; Top Pin Number "2" at 1235.32,2884.54 h25 r90
C210: Bottom Pin Number "2" at 1357.81,1684.22 h25 r180; Bottom Pin Number "1" at 1408.51,1684.22 h25 r180
C301: Top Pin Number "2" at 1291.99,848.51 h25 r270; Top Pin Number "1" at 1291.99,969.23 h25 r270
C304: Board Layer Stack Bottom Overlay "+" at 973.01,1198.38 h80; Board Layer Stack Bottom Overlay "1" at 943.69,1214.4 h31 r180; Top Assembly "+" at 1013.36,1125.11 h25 r180; Top Pin Number "2" at 676.91,1119.55 h25 r180; Top Pin Number "1" at 908.62,1119.55 h25 r180
C305: Board Layer Stack Bottom Overlay "+" at 1106.73,1404.44 h80 r90; Board Layer Stack Bottom Overlay "1" at 1090.71,1375.12 h31 r270; Top Assembly "+" at 1180,1444.79 h25 r270; Top Pin Number "2" at 1185.55,1108.34 h25 r270; Top Pin Number "1" at 1185.55,1340.05 h25 r270
C309: Board Layer Stack Bottom Overlay "+" at 1463.12,1004.16 h80 r90; Bottom Designator "+" at 1535.25,1142.45 h25 r90; Top Pin Number "2" at 1554.75,806.74 h25 r270; Top Pin Number "1" at 1554.75,1022.1 h25 r270
C311: Top Pin Number "2" at 1871.15,1209.17 h25; Top Pin Number "1" at 1750.44,1209.17 h25
C321: Top Pin Number "2" at 649.57,1461.27 h25 r180; Top Pin Number "1" at 770.28,1461.27 h25 r180
C326: Board Layer Stack Bottom Overlay "+" at 622.75,1821.18 h80; Bottom Designator "+" at 761.03,1749.05 h25; Top Pin Number "2" at 425.32,1729.55 h25 r180; Top Pin Number "1" at 640.68,1729.55 h25 r180
C327: Top Pin Number "2" at 946.72,1904.93 h25 r90; Top Pin Number "1" at 946.72,1784.21 h25 r90
C339: Bottom Pin Number "1" at 1130.95,1032.18 h10 r270; Bottom Pin Number "2" at 1130.95,972.18 h10 r270
C517: Top Pin Number "2" at 2323.57,427.39 h25 r90; Top Pin Number "1" at 2323.57,306.67 h25 r90
C624: Board Layer Stack Bottom Overlay "+" at 2751.67,2274.14 h80 r180; Top Assembly "+" at 2714.94,2254.71 h25 r180; Top Pin Number "2" at 2920.4,2302.21 h25; Top Pin Number "1" at 2780.04,2302.21 h25
C625: Board Layer Stack Bottom Overlay "+" at 2638.87,2355.28 h80; Top Assembly "+" at 2675.6,2374.71 h25; Top Pin Number "2" at 2470.14,2327.21 h25 r180; Top Pin Number "1" at 2610.5,2327.21 h25 r180
C703: Bottom Pin Number "2" at 2814.19,3643.21 h25 r180; Bottom Pin Number "1" at 2875.61,3643.21 h25 r180
C706: Bottom Pin Number "2" at 2808.59,3825.07 h25; Bottom Pin Number "1" at 2747.17,3825.07 h25
C812: Bottom Pin Number "2" at 920.67,3586.81 h25 r90; Bottom Pin Number "1" at 920.67,3536.1 h25 r90
C815: Bottom Pin Number "2" at 1793.28,3625.86 h25; Bottom Pin Number "1" at 1742.57,3625.86 h25
C1001: Top Pin Number "2" at 3005.14,2092.13 h25 r180; Top Pin Number "1" at 3125.86,2092.13 h25 r180
D101: Top Pin Number "A" at 459.8,2502.33 h10 r180; Top Pin Number "C" at 518.42,2491.33 h10
D301: Top Pin Number "A" at 1253.63,343.45 h25; Top Pin Number "C" at 1133.39,343.45 h25
D303: Top Pin Number "C" at 1761.99,369.82 h25 r90; Top Pin Number "A" at 1761.99,490.06 h25 r90
D702: Top Pin Number "A" at 2865.15,3765.94 h25 r270; Top Pin Number "C" at 2864.33,3731.29 h25 r270
D703: Top Pin Number "C" at 2648.68,3631.68 h25 r270; Top Pin Number "A" at 2649.5,3666.33 h25 r270
D704: Top Pin Number "A" at 2649.5,3765.94 h25 r270; Top Pin Number "C" at 2648.68,3731.29 h25 r270
D705: Top Pin Number "C" at 2814.57,3897.31 h25 r270; Top Pin Number "A" at 2815.39,3931.96 h25 r270
D706: Top Pin Number "C" at 2673.24,3878.45 h25; Top Pin Number "A" at 2638.59,3879.27 h25
D707: Top Pin Number "A" at 2638.59,4012.08 h25; Top Pin Number "C" at 2673.24,4011.26 h25
D708: Top Overlay "C" at 183.98,774.52 h15 r270; Top Overlay "A" at 63.99,780.01 h15 r270
D902: Top Overlay "A" at 63.99,451.69 h15 r270; Top Overlay "C" at 183.98,446.2 h15 r270
D903: Top Pin Number "A" at 90.08,362.59 h25; Top Pin Number "C" at 151.69,362.59 h25
D905: Top Pin Number "C" at 151.69,581.47 h25; Top Pin Number "A" at 90.08,581.47 h25
D906: Top Overlay "A" at 63.99,670.57 h15 r270; Top Overlay "C" at 183.98,665.08 h15 r270
D1001: Top Pin Number "C" at 3096.57,3132.39 h25 r270; Top Pin Number "A" at 3097.39,3165.84 h25 r270
D1002: Top Pin Number "A" at 3114.44,3024.56 h25 r180; Top Pin Number "C" at 3080.98,3025.38 h25 r180
F301: Top Overlay "1" at 749.63,283.79 h30 r180; Bottom Pin Number "1" at 703.84,277.79 h20 r180; Bottom Pin Number "2" at 605.42,277.79 h20 r180; Top Assembly "1" at 746.83,273.79 h15 r180
F302: Top Overlay "1" at 1416.25,282.54 h30 r180; Bottom Pin Number "1" at 1370.46,276.54 h20 r180; Bottom Pin Number "2" at 1272.04,276.54 h20 r180; Top Assembly "1" at 1413.45,272.54 h15 r180
J101: Top Overlay "1" at 380.86,1180.82 h31; Top Assembly "1" at 416.26,1199.82 h25; Top Pin Number "2" at 466.1,1089.82 h25; Top Pin Number "1" at 466.1,1189.82 h25
J201: Top Overlay "1" at 871.25,3115.79 h20; Top Overlay "99" at 1668.54,3115.79 h20; Top Overlay "100" at 1664.16,3301.63 h20; Top Overlay "2" at 866.96,3300.79 h20; Top Assembly "99" at 1668.54,3115.79 h20; Top Assembly "100" at 1664.33,3301.5 h20; Top Assembly "2" at 866.96,3300.79 h20; Top Assembly "1" at 871.25,3115.79 h20; Top Pin Number "12" at 974.54,3276.42 h10 r90; Top Pin Number "10" at 958.8,3276.42 h10 r90; Top Pin Number "20" at 1037.54,3276.42 h10 r90; Top Pin Number "18" at 1021.79,3276.42 h10 r90; Top Pin Number "16" at 1006.04,3276.42 h10 r90; Top Pin Number "14" at 990.29,3276.42 h10 r90; Top Pin Number "48" at 1258.01,3276.42 h10 r90; Top Pin Number "47" at 1258.01,3155.16 h10 r90; Top Pin Number "72" at 1446.98,3276.42 h10 r90; Top Pin Number "60" at 1352.5,3276.42 h10 r90; Top Pin Number "75" at 1478.48,3155.16 h10 r90; Top Pin Number "61" at 1368.24,3155.16 h10 r90; Top Pin Number "96" at 1635.96,3276.42 h10 r90; Top Pin Number "84" at 1541.47,3276.42 h10 r90; Top Pin Number "89" at 1588.72,3155.16 h10 r90; Top Pin Number "13" at 990.29,3155.16 h10 r90; Top Pin Number "15" at 1006.04,3155.16 h10 r90; Top Pin Number "17" at 1021.79,3155.16 h10 r90; Top Pin Number "19" at 1037.54,3155.16 h10 r90; Top Pin Number "9" at 954.8,3155.16 h10 r90; Top Pin Number "11" at 974.54,3155.16 h10 r90; Top Pin Number "42" at 1210.76,3276.42 h10 r90; Top Pin Number "55" at 1321,3155.16 h10 r90; Top Pin Number "79" at 1509.98,3155.16 h10 r90; Top Pin Number "63" at 1383.99,3155.16 h10 r90; Top Pin Number "40" at 1195.02,3276.42 h10 r90; Top Pin Number "53" at 1305.25,3155.16 h10 r90; Top Pin Number "51" at 1289.5,3155.16 h10 r90; Top Pin Number "66" at 1399.74,3276.42 h10 r90; Top Pin Number "46" at 1242.26,3276.42 h10 r90; Top Pin Number "59" at 1352.5,3155.16 h10 r90; Top Pin Number "38" at 1179.27,3276.42 h10 r90; Top Pin Number "57" at 1336.75,3155.16 h10 r90; Top Pin Number "44" at 1226.51,3276.42 h10 r90; Top Pin Number "58" at 1336.75,3276.42 h10 r90; Top Pin Number "83" at 1541.47,3155.16 h10 r90; Top Pin Number "56" at 1321,3276.42 h10 r90; Top Pin Number "95" at 1635.96,3155.16 h10 r90; Top Pin Number "50" at 1273.76,3276.42 h10 r90; Top Pin Number "49" at 1273.76,3155.16 h10 r90; Top Pin Number "67" at 1415.49,3155.16 h10 r90; Top Pin Number "54" at 1305.25,3276.42 h10 r90; Top Pin Number "43" at 1226.51,3155.16 h10 r90; Top Pin Number "94" at 1620.21,3276.42 h10 r90; Top Pin Number "52" at 1289.5,3276.42 h10 r90; Top Pin Number "41" at 1210.76,3155.16 h10 r90; Top Pin Number "91" at 1604.46,3155.16 h10 r90; Top Pin Number "64" at 1383.99,3276.42 h10 r90; Top Pin Number "81" at 1525.72,3155.16 h10 r90; Top Pin Number "62" at 1368.24,3276.42 h10 r90; Top Pin Number "82" at 1525.72,3276.42 h10 r90; Top Pin Number "92" at 1604.46,3276.42 h10 r90; Top Pin Number "78" at 1494.23,3276.42 h10 r90; Top Pin Number "68" at 1415.49,3276.42 h10 r90; Top Pin Number "87" at 1572.97,3155.16 h10 r90; Top Pin Number "80" at 1509.98,3276.42 h10 r90; Top Pin Number "99" at 1667.46,3155.16 h10 r90; Top Pin Number "86" at 1557.22,3276.42 h10 r90; Top Pin Number "90" at 1588.72,3276.42 h10 r90; Top Pin Number "76" at 1478.48,3276.42 h10 r90; Top Pin Number "85" at 1557.22,3155.16 h10 r90; Top Pin Number "74" at 1462.73,3276.42 h10 r90; Top Pin Number "88" at 1572.97,3276.42 h10 r90; Top Pin Number "93" at 1620.21,3155.16 h10 r90; Top Pin Number "100" at 1671.46,3276.42 h10 r90; Top Pin Number "33" at 1147.77,3155.16 h10 r90; Top Pin Number "31" at 1132.02,3155.16 h10 r90; Top Pin Number "29" at 1116.28,3155.16 h10 r90; Top Pin Number "27" at 1100.53,3155.16 h10 r90; Top Pin Number "25" at 1084.78,3155.16 h10 r90; Top Pin Number "23" at 1069.03,3155.16 h10 r90; Top Pin Number "21" at 1053.28,3155.16 h10 r90; Top Pin Number "35" at 1163.52,3155.16 h10 r90; Top Pin Number "65" at 1399.74,3155.16 h10 r90; Top Pin Number "69" at 1431.24,3155.16 h10 r90; Top Pin Number "73" at 1462.73,3155.16 h10 r90; Top Pin Number "71" at 1446.98,3155.16 h10 r90; Top Pin Number "70" at 1431.24,3276.42 h10 r90; Top Pin Number "77" at 1494.23,3155.16 h10 r90; Top Pin Number "45" at 1242.26,3155.16 h10 r90; Top Pin Number "34" at 1147.77,3276.42 h10 r90; Top Pin Number "32" at 1132.02,3276.42 h10 r90; Top Pin Number "30" at 1116.28,3276.42 h10 r90; Top Pin Number "28" at 1100.53,3276.42 h10 r90; Top Pin Number "26" at 1084.78,3276.42 h10 r90; Top Pin Number "24" at 1069.03,3276.42 h10 r90; Top Pin Number "22" at 1053.28,3276.42 h10 r90; Top Pin Number "36" at 1163.52,3276.42 h10 r90; Top Pin Number "39" at 1195.02,3155.16 h10 r90; Top Pin Number "7" at 939.05,3155.16 h10 r90; Top Pin Number "5" at 923.3,3155.16 h10 r90; Top Pin Number "3" at 907.55,3155.16 h10 r90; Top Pin Number "1" at 891.8,3155.16 h10 r90; Top Pin Number "2" at 891.8,3276.42 h10 r90; Top Pin Number "4" at 907.55,3276.42 h10 r90; Top Pin Number "6" at 923.3,3276.42 h10 r90; Top Pin Number "8" at 939.05,3276.42 h10 r90; Top Pin Number "98" at 1651.71,3276.42 h10 r90; Top Pin Number "97" at 1651.71,3155.16 h10 r90; Top Pin Number "37" at 1179.27,3155.16 h10 r90
J202: Top Overlay "100" at 1998.63,1500.79 h15 r90; Top Overlay "99" at 2002.95,1702.39 h15 r90; Top Overlay "2" at 1223.63,1520.79 h15 r90; Top Overlay "1" at 1223.63,1695.79 h15 r90
J203: Top Overlay "1" at 2137.59,2150.27 h35; Top Overlay "2" at 2297.59,2150.27 h35; Top Overlay "19" at 2112.59,2375.27 h35; Top Overlay "20" at 2282.59,2380.27 h35; Top Assembly "1" at 2126.63,2160.46 h25; Top Assembly "19" at 2110.63,2355.46 h25; Top Assembly "20" at 2300.63,2350.46 h25; Top Assembly "2" at 2301.63,2160.46 h25; Top Pin Number "7" at 2165.41,2241.65 h10; Top Pin Number "17" at 2161.74,2320.39 h10; Top Pin Number "6" at 2273.35,2225.9 h10; Top Pin Number "3" at 2165.41,2210.15 h10; Top Pin Number "16" at 2269.68,2304.64 h10; Top Pin Number "20" at 2268.66,2336.14 h10; Top Pin Number "18" at 2269.44,2320.39 h10; Top Pin Number "9" at 2165.65,2257.4 h10; Top Pin Number "8" at 2273.11,2241.65 h10; Top Pin Number "5" at 2165.41,2225.9 h10; Top Pin Number "11" at 2163.88,2273.14 h10; Top Pin Number "13" at 2161.74,2288.89 h10; Top Pin Number "15" at 2161.74,2304.64 h10; Top Pin Number "4" at 2272.87,2210.15 h10; Top Pin Number "10" at 2269.44,2257.4 h10; Top Pin Number "12" at 2269.44,2273.14 h10; Top Pin Number "14" at 2269.2,2288.89 h10; Top Pin Number "1" at 2167.55,2194.4 h10; Top Pin Number "2" at 2273.11,2194.4 h10; Top Pin Number "19" at 2161.98,2336.14 h10
J301: Board Layer Stack Bottom Overlay "B12" at 795.01,158.04 h25; Board Layer Stack Bottom Overlay "B1" at 1105.01,158.04 h25; Bottom Pin Number "B8" at 945.21,187.37 h10 r90; Bottom Pin Number "B5" at 1008.2,187.37 h10 r90; Bottom Pin Number "B10" at 913.55,187.37 h10 r90; Bottom Pin Number "B11" at 882.05,187.37 h10 r90; Bottom Pin Number "B3" at 1039.69,187.37 h10 r90; Bottom Pin Number "B2" at 1071.19,187.37 h10 r90; Bottom Pin Number "B7" at 960.95,214.93 h10 r90; Bottom Pin Number "B6" at 992.45,214.93 h10 r90; Bottom Pin Number "B9" at 929.46,214.93 h10 r90; Bottom Pin Number "B4" at 1023.95,214.93 h10 r90; Bottom Pin Number "SH3" at 799.38,25.95 h10 r90; Bottom Pin Number "SH4" at 1153.71,25.95 h10 r90; Bottom Pin Number "SH1" at 799.38,246.82 h10 r90; Bottom Pin Number "B12" at 856.46,214.93 h10 r90; Bottom Pin Number "B1" at 1096.78,214.93 h10 r90; Bottom Pin Number "SH2" at 1153.71,246.82 h10 r90; Top Assembly "B1" at 1194.03,223.92 h25; Top Assembly "A12" at 1094.63,310.46 h25; Top Assembly "A1" at 839.7,326.28 h25; Top Assembly "B12" at 694.63,195.46 h25; Top Assembly "PCB EDGE" at 527.73,10.89 h25; Top Pin Number "A12" at 1085.91,265.44 h10 r90; Top Pin Number "A11" at 1066.22,265.44 h10 r90; Top Pin Number "A10" at 1046.54,265.44 h10 r90; Top Pin Number "A9" at 1027.01,265.44 h10 r90; Top Pin Number "A8" at 1007.33,265.44 h10 r90; Top Pin Number "A7" at 987.64,265.44 h10 r90; Top Pin Number "A6" at 967.96,265.44 h10 r90; Top Pin Number "A5" at 948.27,265.44 h10 r90; Top Pin Number "A4" at 928.59,265.44 h10 r90; Top Pin Number "A3" at 908.9,265.44 h10 r90; Top Pin Number "A2" at 889.22,265.44 h10 r90; Top Pin Number "A1" at 869.53,265.44 h10 r90
J302: Board Layer Stack Bottom Overlay "B12" at 1449.63,158.79 h25; Board Layer Stack Bottom Overlay "B1" at 1759.63,158.79 h25; Bottom Pin Number "B8" at 1599.83,188.12 h10 r90; Bottom Pin Number "B5" at 1662.82,188.12 h10 r90; Bottom Pin Number "B10" at 1568.17,188.12 h10 r90; Bottom Pin Number "B11" at 1536.67,188.12 h10 r90; Bottom Pin Number "B3" at 1694.31,188.12 h10 r90; Bottom Pin Number "B2" at 1725.81,188.12 h10 r90; Bottom Pin Number "B7" at 1615.57,215.68 h10 r90; Bottom Pin Number "B6" at 1647.07,215.68 h10 r90; Bottom Pin Number "B9" at 1584.08,215.68 h10 r90; Bottom Pin Number "B4" at 1678.57,215.68 h10 r90; Bottom Pin Number "SH3" at 1454,26.7 h10 r90; Bottom Pin Number "SH4" at 1808.33,26.7 h10 r90; Bottom Pin Number "SH1" at 1454,247.57 h10 r90; Bottom Pin Number "B12" at 1511.08,215.68 h10 r90; Bottom Pin Number "B1" at 1751.4,215.68 h10 r90; Bottom Pin Number "SH2" at 1808.33,247.57 h10 r90; Top Assembly "B1" at 1848.65,224.67 h25; Top Assembly "A12" at 1749.25,311.21 h25; Top Assembly "A1" at 1494.32,327.03 h25; Top Assembly "B12" at 1349.25,196.21 h25; Top Assembly "PCB EDGE" at 1182.35,11.64 h25; Top Pin Number "A12" at 1740.53,266.19 h10 r90; Top Pin Number "A11" at 1720.84,266.19 h10 r90; Top Pin Number "A10" at 1701.16,266.19 h10 r90; Top Pin Number "A9" at 1681.63,266.19 h10 r90; Top Pin Number "A8" at 1661.95,266.19 h10 r90; Top Pin Number "A7" at 1642.26,266.19 h10 r90; Top Pin Number "A6" at 1622.58,266.19 h10 r90; Top Pin Number "A5" at 1602.89,266.19 h10 r90; Top Pin Number "A4" at 1583.21,266.19 h10 r90; Top Pin Number "A3" at 1563.52,266.19 h10 r90; Top Pin Number "A2" at 1543.84,266.19 h10 r90; Top Pin Number "A1" at 1524.15,266.19 h10 r90
J401: Top Overlay "6" at 3125.09,233.19 h31; Top Overlay "5" at 2791.72,236.09 h31; Top Overlay "3" at 3112.76,512.68 h31; Top Overlay "4" at 2809.17,498.25 h31; Top Overlay "2" at 2800.7,62.07 h31; Top Overlay "1" at 3130.47,65.57 h31; Board Layer Stack Bottom Overlay "1" at 3121.63,77.47 h31; Board Layer Stack Bottom Overlay "2" at 2843.43,75.4 h31; Top Designator "PCB EDGE" at 3254.6,27.16 h31 r90; Top Assembly "6" at 3163.11,263.88 h25 r90; Top Assembly "1" at 3151.37,72.63 h25 r90; Top Assembly "2" at 2825.58,73.61 h25 r90; Top Assembly "5" at 2817.26,261.27 h25 r90; Top Assembly "4" at 2850.18,518.83 h25 r90; Top Assembly "3" at 3119.49,520.81 h25 r90; Top Pin Number "6" at 3112.81,326.56 h35 r90; Top Pin Number "2" at 2878.55,82.47 h35 r90; Top Pin Number "1" at 3081.31,82.47 h35 r90; Top Pin Number "4" at 2837.22,452.55 h35 r90; Top Pin Number "3" at 3112.81,452.55 h35 r90; Top Pin Number "5" at 2837.22,326.56 h35 r90
J501: Top Assembly "PCB EDGE SIDE" at 1909.46,-8.56 h25 r270; Top Assembly "14" at 2645.63,115.45 h25; Top Assembly "12" at 1977.61,152.56 h25 r180; Top Assembly "10" at 2645.63,550.45 h25; Top Assembly "9" at 2651.63,665.45 h25; Top Assembly "2" at 1961.96,586.94 h25 r180; Top Assembly "1" at 1964.09,682.68 h25 r180; Top Pin Number "2" at 2136.1,577.44 h25 r180; Top Pin Number "15" at 2611.82,452.44 h25 r180; Top Pin Number "16" at 1988.82,451.44 h25 r180; Top Pin Number "14" at 2575.9,147.52 h25 r180; Top Pin Number "4" at 2236.1,577.44 h25 r180; Top Pin Number "3" at 2186.1,677.44 h25 r180; Top Pin Number "8" at 2436.1,577.44 h25 r180; Top Pin Number "10" at 2535.94,577.44 h25 r180; Top Pin Number "6" at 2336.1,577.44 h25 r180; Top Pin Number "9" at 2486.1,677.44 h25 r180; Top Pin Number "5" at 2286.1,677.44 h25 r180; Top Pin Number "7" at 2386.1,677.44 h25 r180; Top Pin Number "13" at 2575.9,227.44 h25 r180; Top Pin Number "11" at 2046.37,227.44 h25 r180; Top Pin Number "12" at 2046.37,147.52 h25 r180; Top Pin Number "1" at 2086.1,677.44 h25 r180